# Altium PCB AIR_MOUNT23.PcbDoc (part 1 of 4)
Units mm, origin at the board's own origin, x right, y up, seen from the top; angles counter-clockwise.
Board outline 149.5 x 178 mm, 4 copper layers (Top Layer, Layer 1, Layer 2, Bottom Layer), stack 1.741 mm thick; 443 components, 337 nets, 1578 pads, 464 vias.
Unrouted connection lines stored in the file: 63.
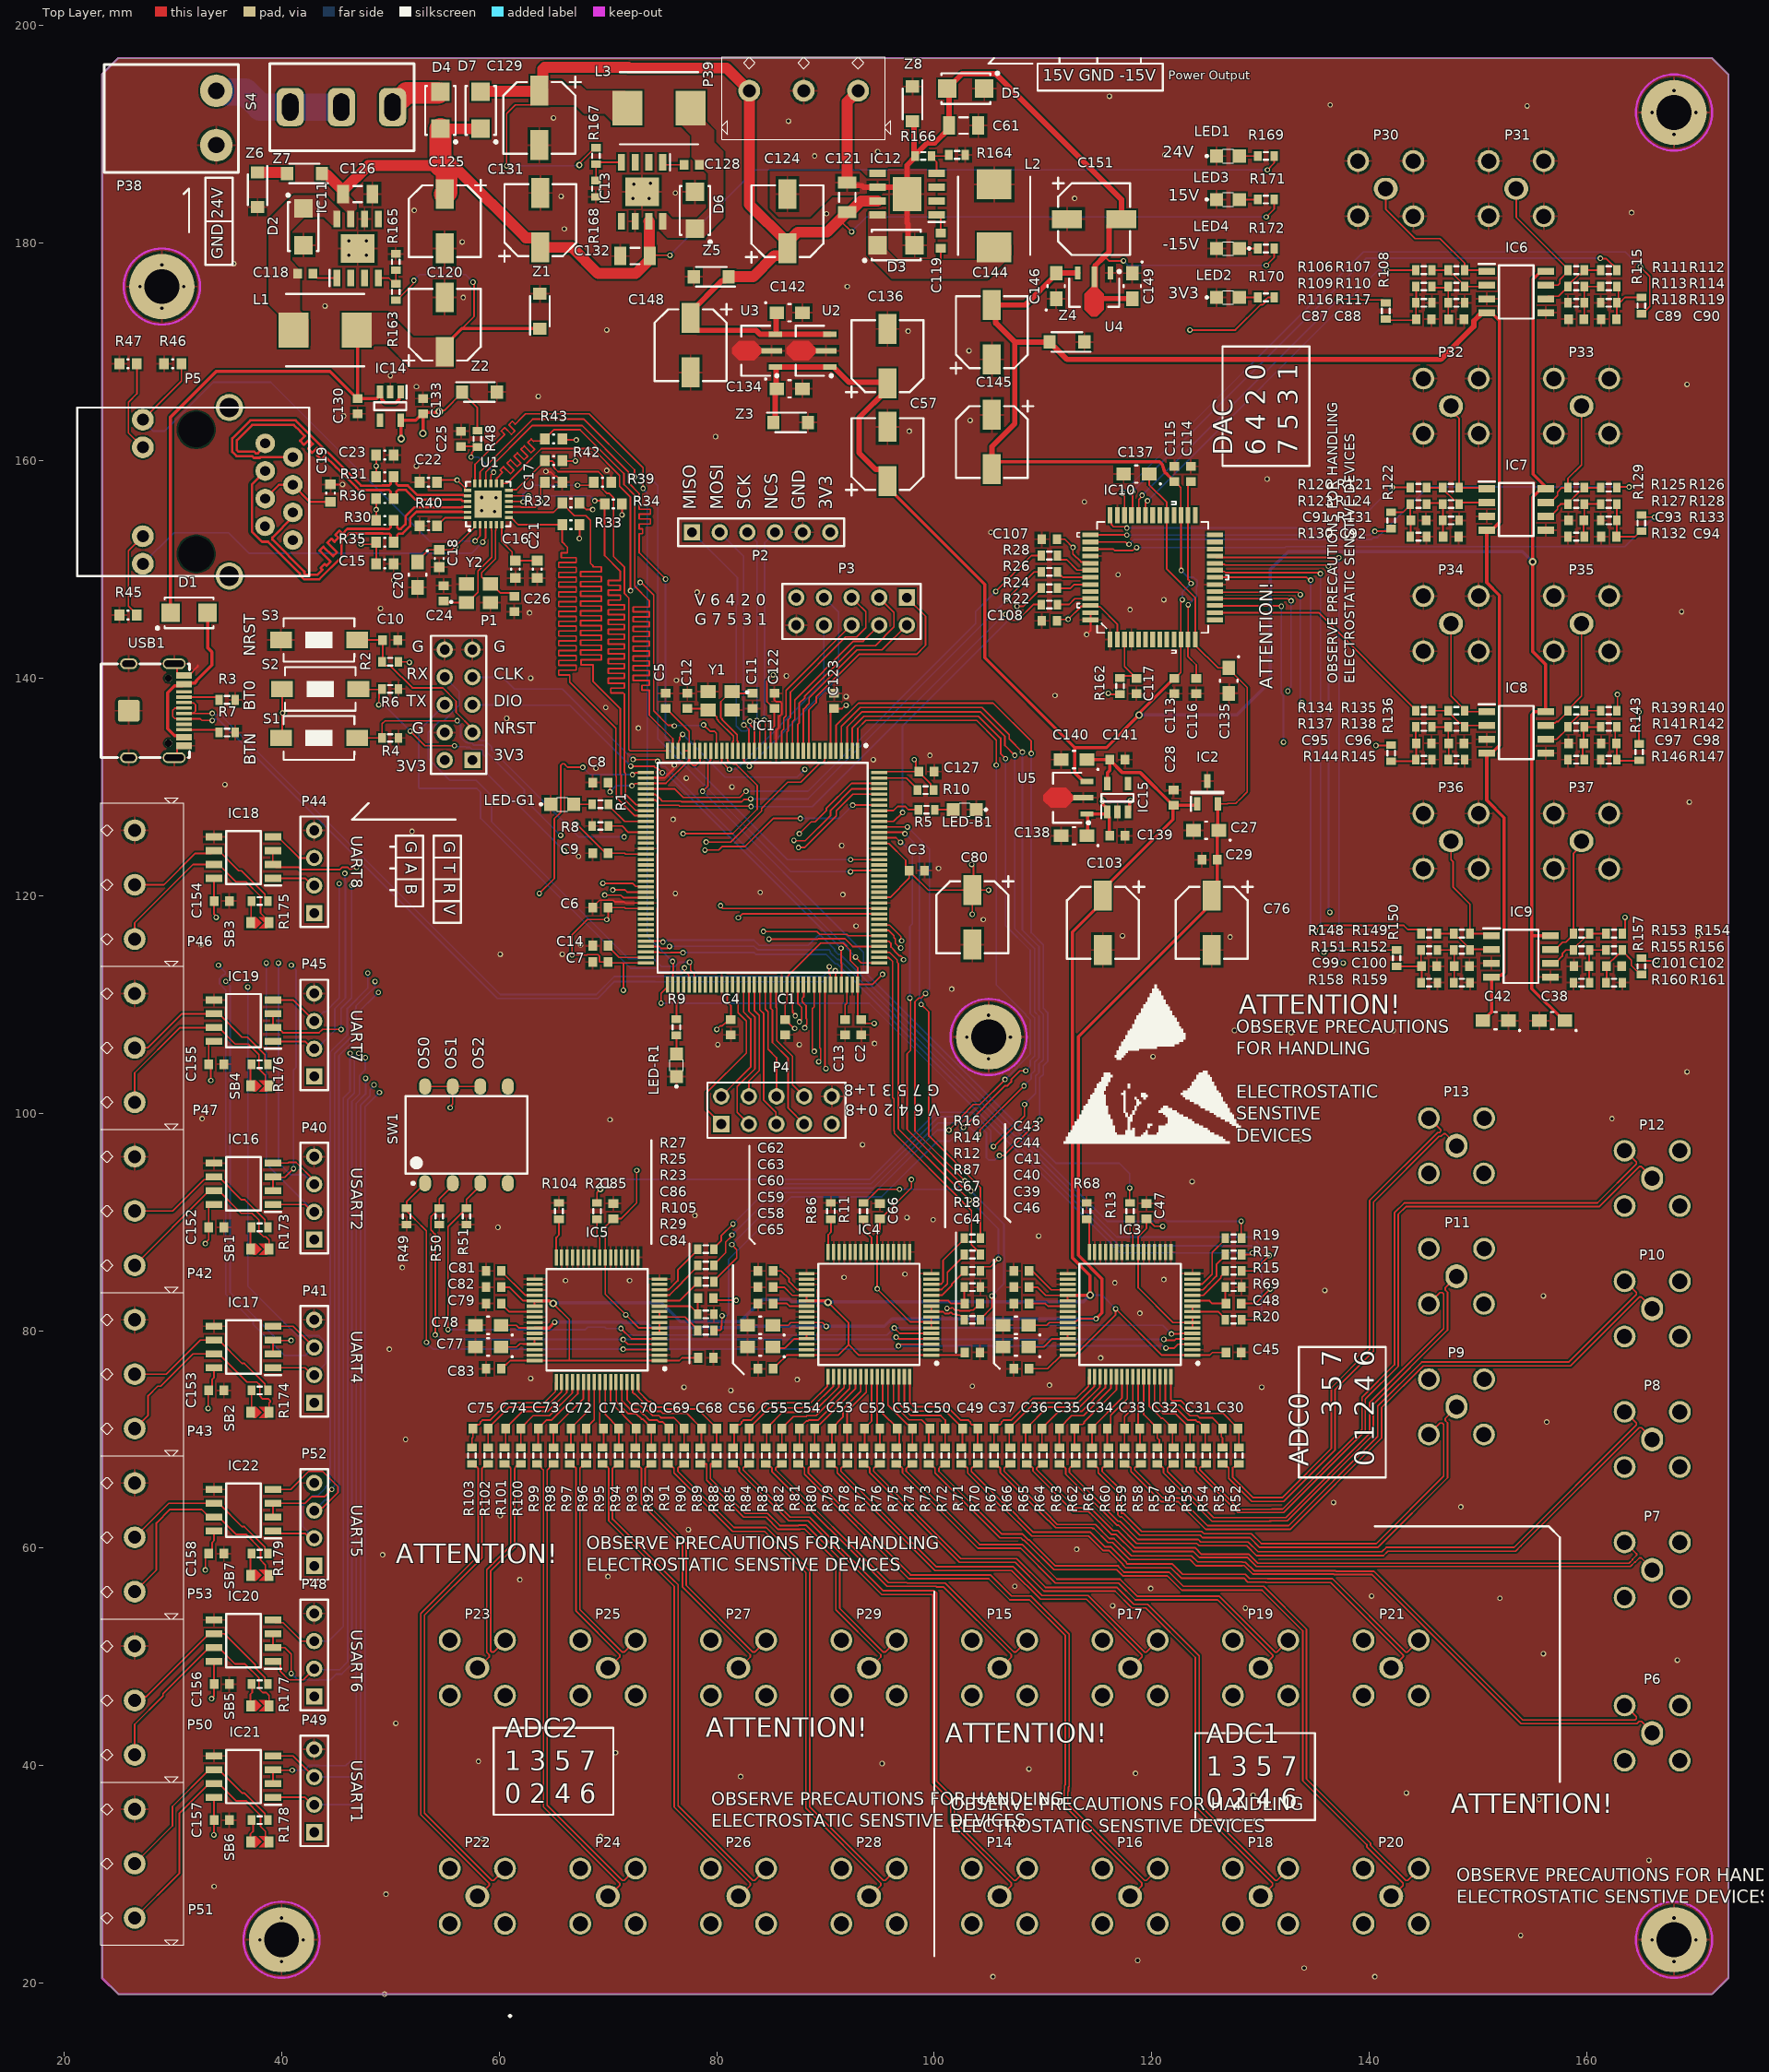
[diagram p0: Top Layer view]
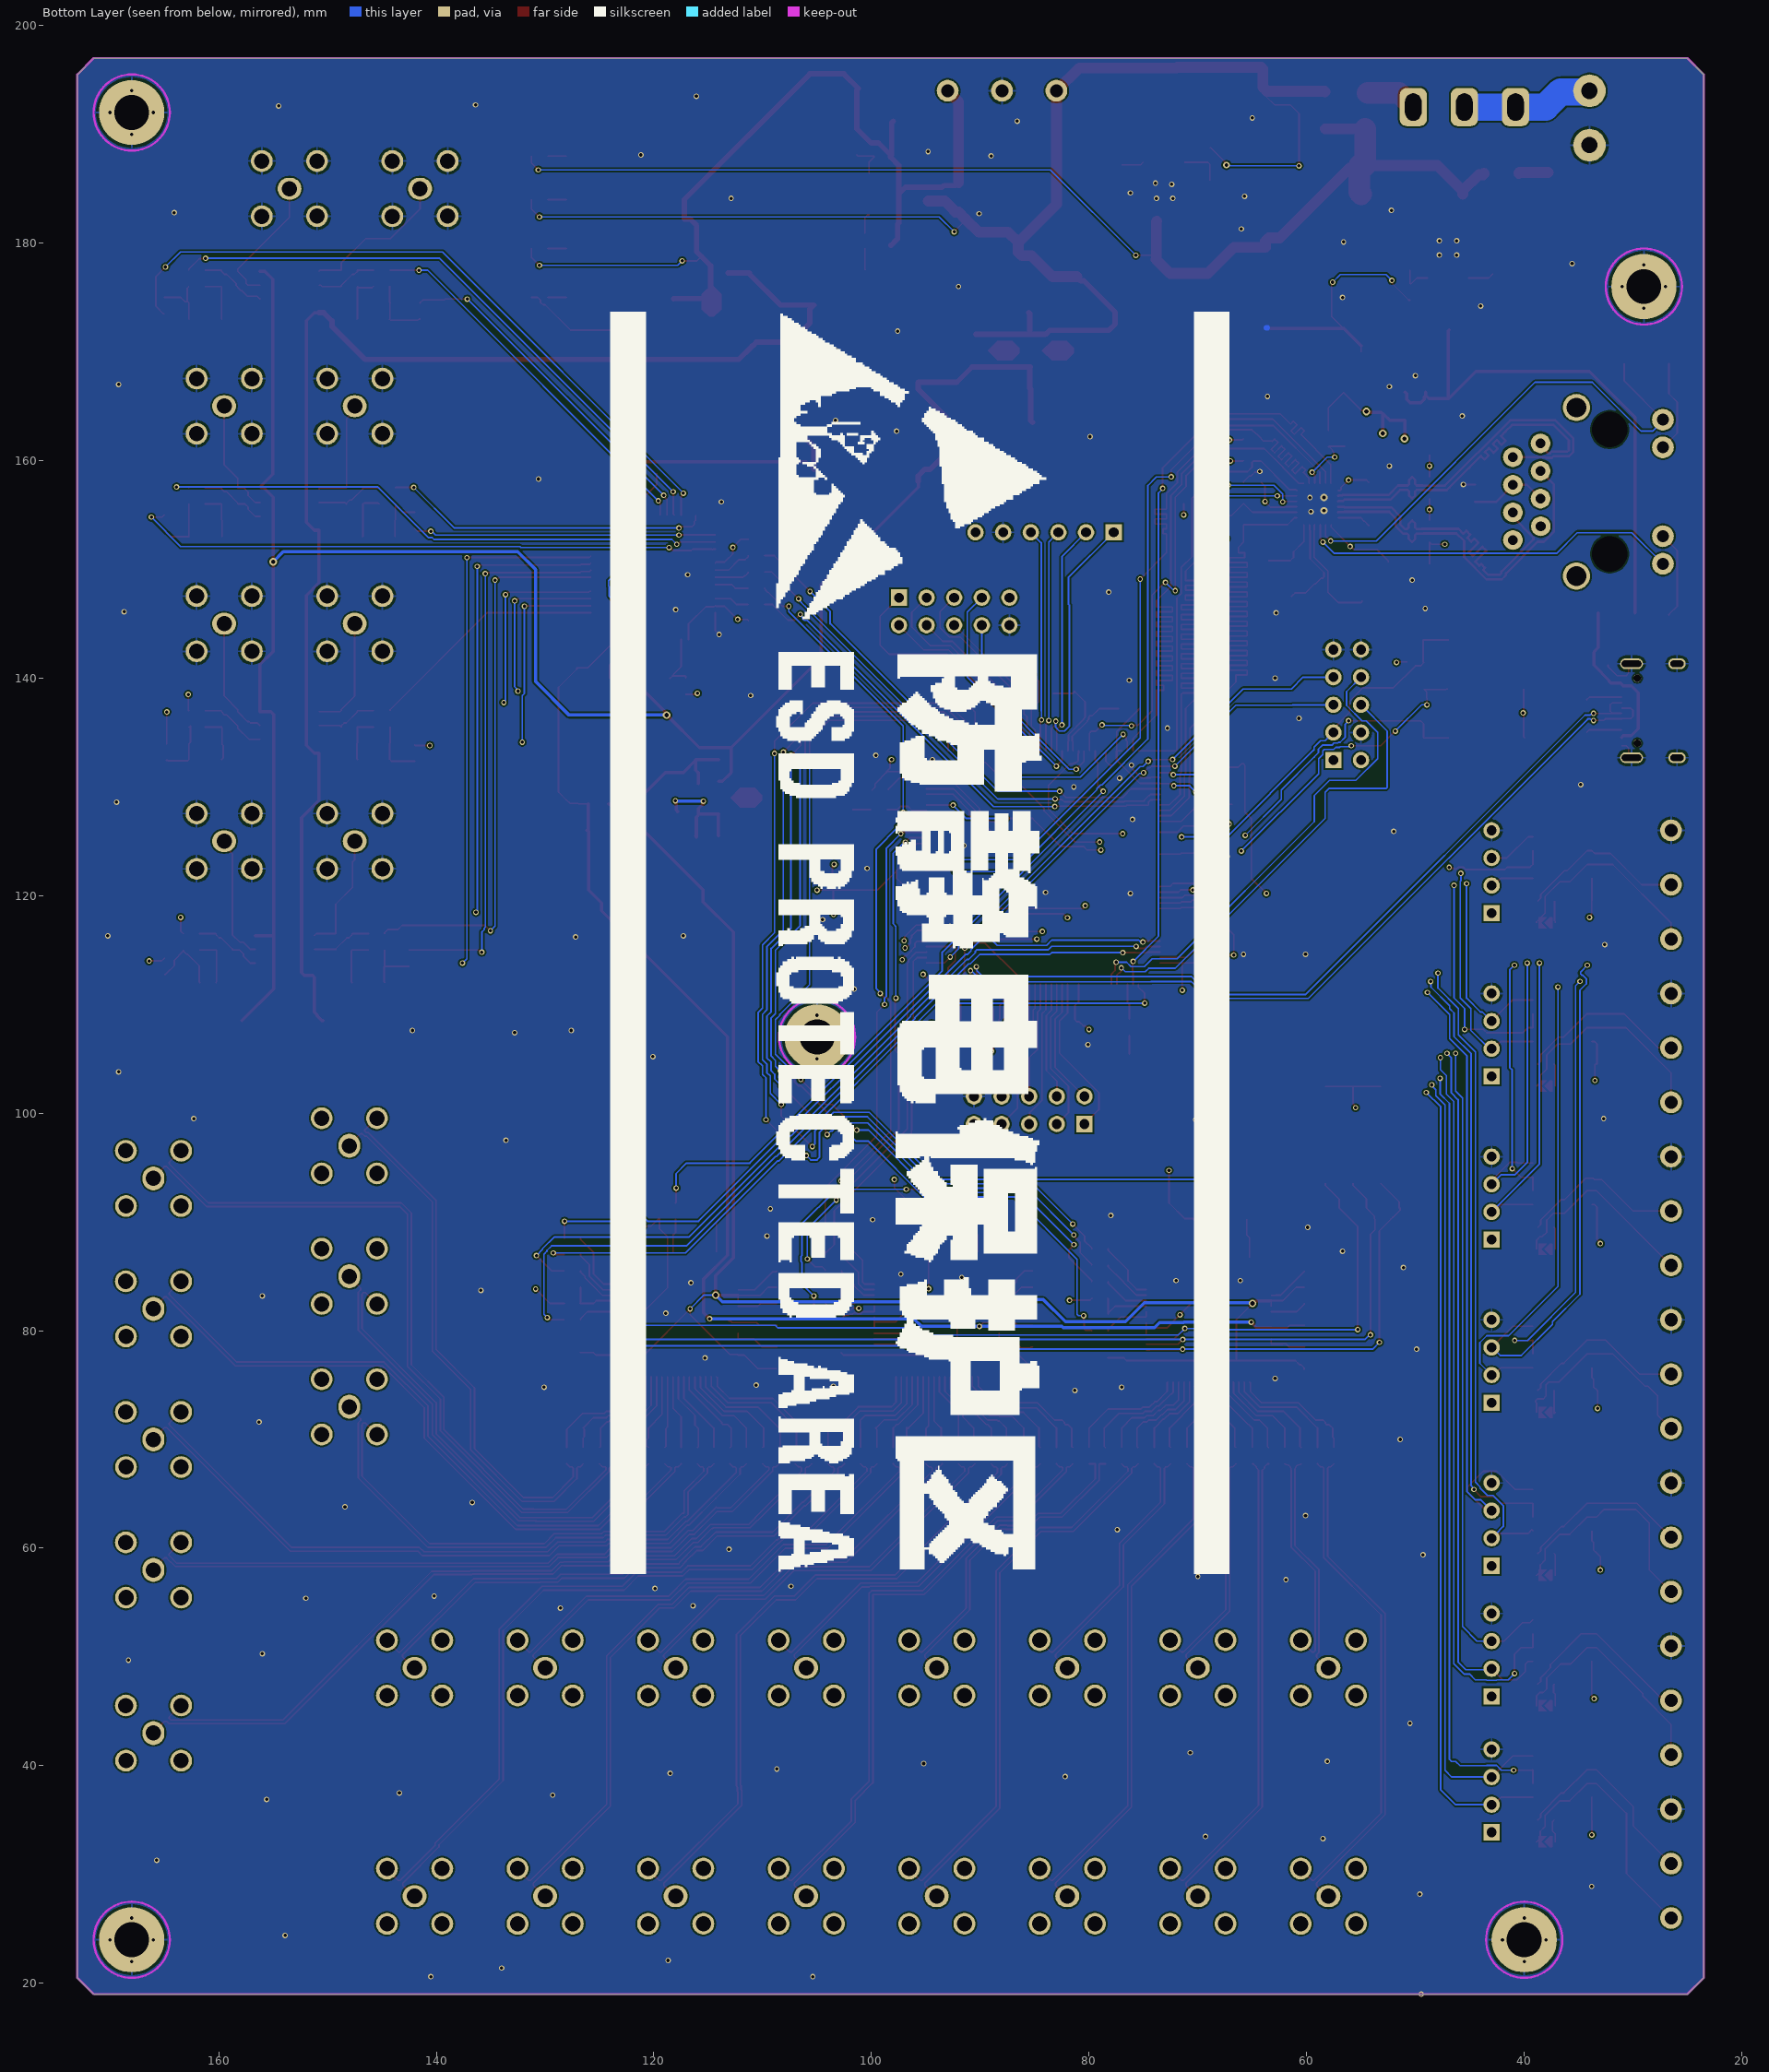
[diagram p1: Bottom Layer view, seen from below]
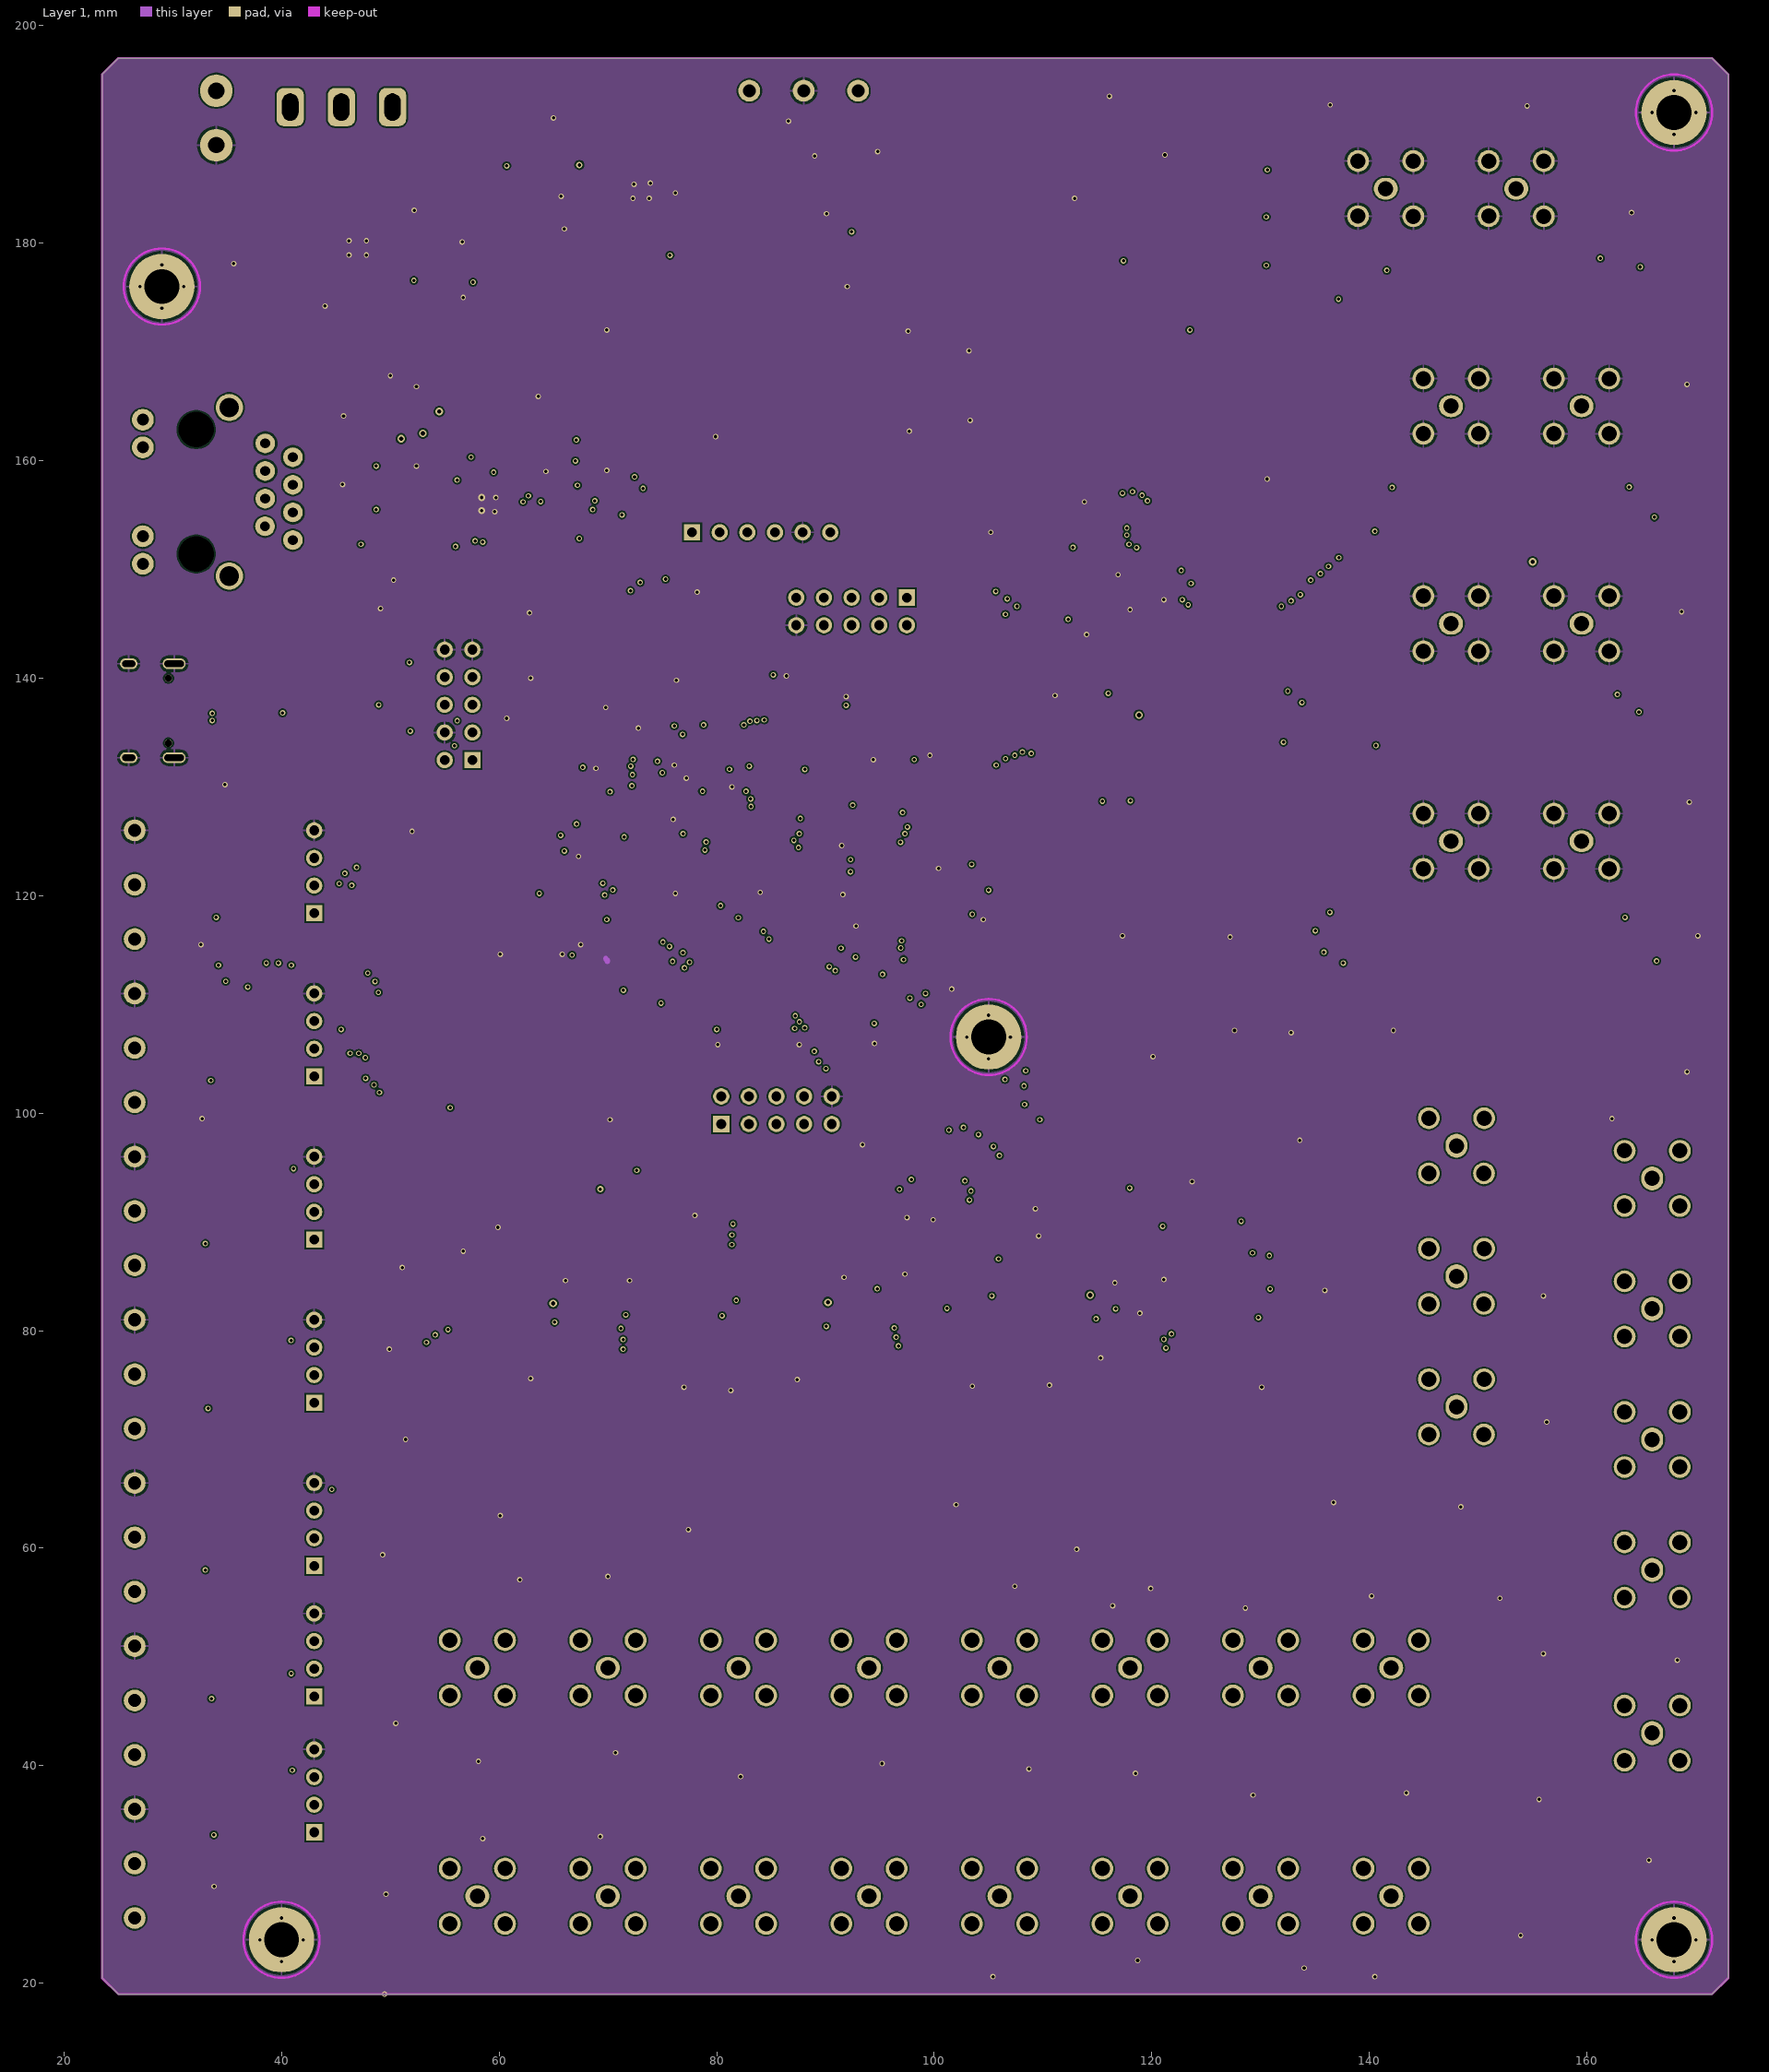
[diagram p2: Layer 1]
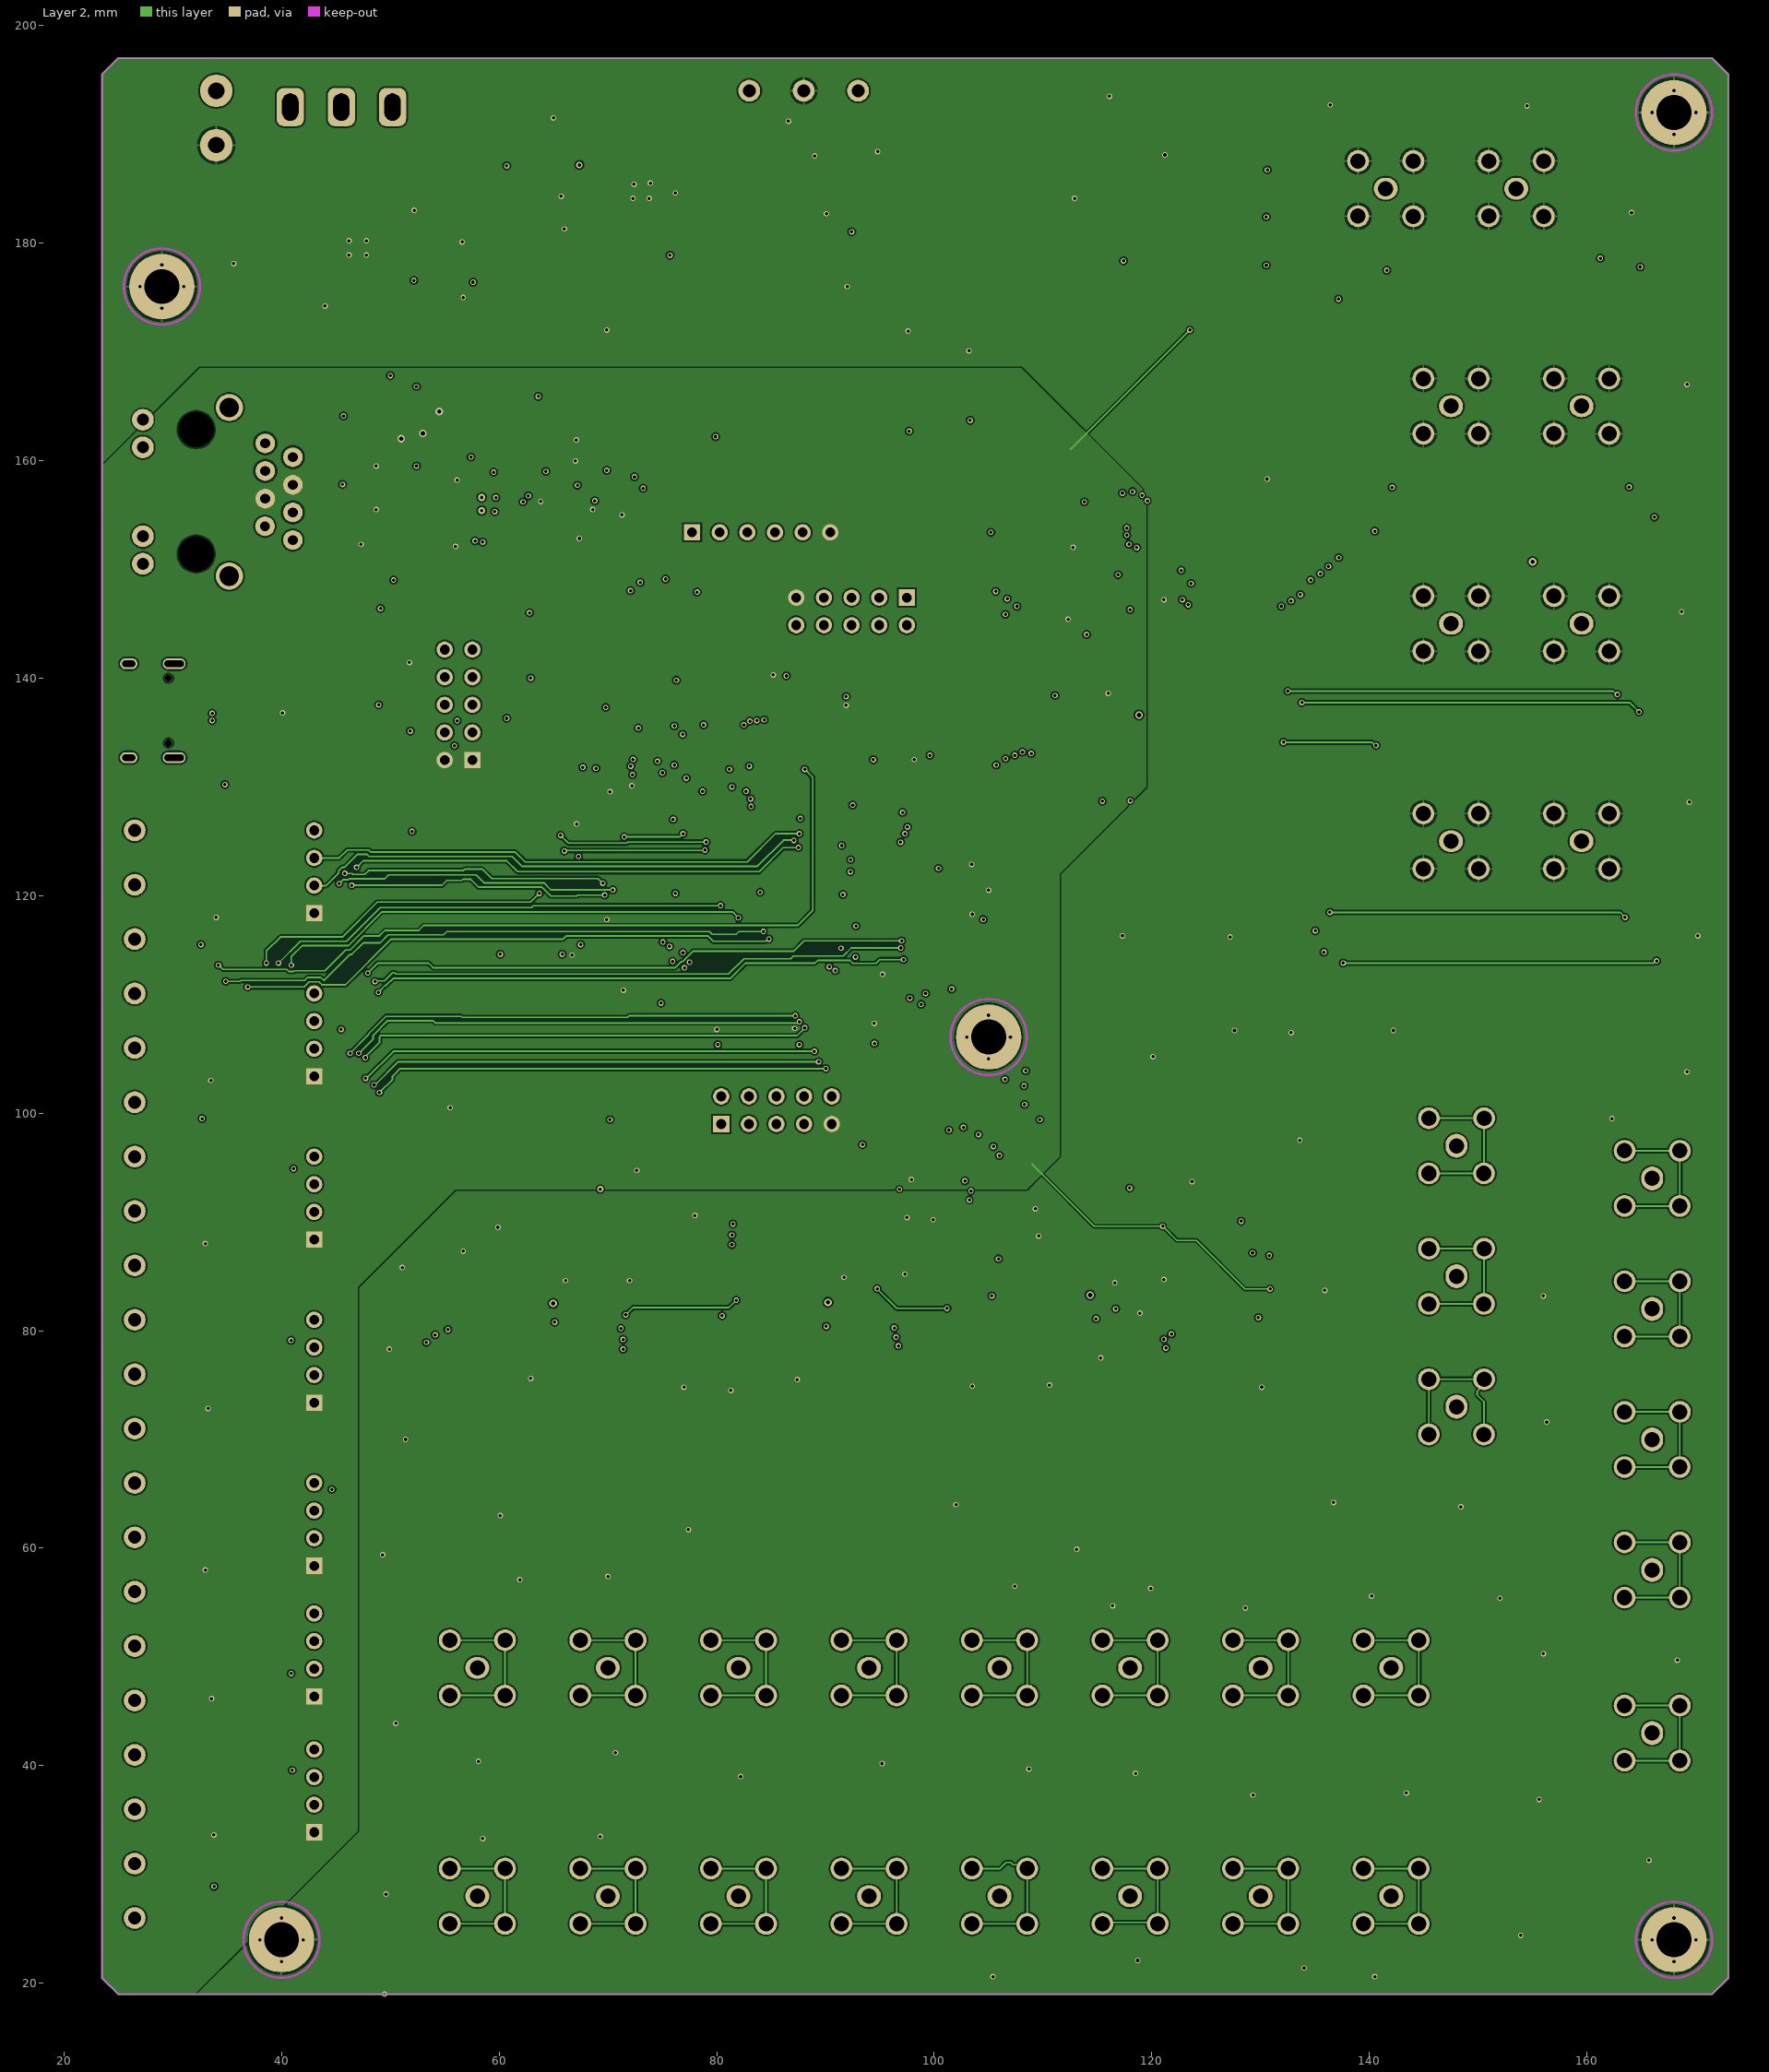
[diagram p3: Layer 2]

## Layer stack, top to bottom
Top Solder: solder mask 0.0102, Solder Resist, Dk 3.5
Top Layer: signal copper 0.0356
Dielectric 2: prepreg 0.2, PP-006, Dk 4.1
Layer 1: signal copper 0.035
Dielectric 1: dielectric 1.2, FR-4, Dk 4.8
Layer 2: signal copper 0.035
Dielectric 3: prepreg 0.2, PP-006, Dk 4.1
Bottom Layer: signal copper 0.0356
Bottom Solder: solder mask 0.0102, Solder Resist, Dk 3.5

## Board outline
23.5,20.5 25,19 171.5,19 173,20.5 173,195.5 171.5,197 25,197 23.5,195.5

## Design rules (kind name [scope] priority, off if disabled: settings)
Clearance "Schematic Clearance Constraint" [InNetClass('DiffPair100')] p1: gap=0.2 ignorepadtopadclearanceinfootprint=TRUE except(0.15: Arc-SMDPad Track-SMDPad)
Clearance Clearance_1 [All] p2: gap=0.15 ignorepadtopadclearanceinfootprint=TRUE
Clearance [All] p3: gap=0.15 ignorepadtopadclearanceinfootprint=TRUE except(0.25: Track-Track)
DiffPairsRouting [All] p1: maxlimit=0.5 minlimit=0.14 mostfreqgap=0.2 toplayer_minwidth=0.14 toplayer_maxwidth=0.381 toplayer_prefwidth=0.22 midlayer1_minwidth=0.14 midlayer1_maxwidth=0.381 midlayer1_prefwidth=0.22 midlayer2_minwidth=0.14 midlayer2_maxwidth=0.381 midlayer2_prefwidth=0.22 bottomlayer_minwidth=0.14 bottomlayer_maxwidth=0.381 bottomlayer_prefwidth=0.22 maxuncoupledlength=12.7
MatchedLengths "Schematic Matched Net Lengths_1" [InNetClass('DiffPair100')] p1: tolerance=2.54 checknetsindiffpair=TRUE checkdiffpairvsdiffpair=FALSE checkxsignals=FALSE checkothers=FALSE
MatchedLengths "Schematic Matched Net Lengths" [InNetClass('RMIIBus')] p2: tolerance=2.5 checknetsindiffpair=FALSE checkdiffpairvsdiffpair=TRUE checkxsignals=TRUE checkothers=TRUE
PolygonConnect PolygonConnect_1 [InNet('GND') or InNet('-15V')] p1: thpad.connectstyle=Relief thpad.reliefconductorwidth=0.2 thpad.reliefentries=4 thpad.polygonreliefangle="90 Angle" thpad.airgapwidth=0.25 smdpad.connectstyle=Relief smdpad.reliefconductorwidth=0.2 smdpad.reliefentries=4 smdpad.polygonreliefangle="90 Angle" smdpad.airgapwidth=0.25 via.connectstyle=Direct via.reliefconductorwidth=0.254 via.reliefentries=4 via.polygonreliefangle="90 Angle" via.airgapwidth=0.254
PolygonConnect [All] p2: connectstyle=Direct reliefconductorwidth=0.2 reliefentries=4 polygonreliefangle="90 Angle" airgapwidth=0.254
RoutingVias [All] p1: holewidth=0.25 width=0.5 viastyle="Through Hole" minholewidth=0.25 minwidth=0.5 maxholewidth=80 maxwidth=80
SolderMaskExpansion [All] p1: expansion=0.102 istentingtop=FALSE
Width "Schematic Width Constraint" [InNetClass('DiffPair100')] p1: maxlimit=0.22 minlimit=0.22 preferedwidth=0.22
Width [All] p2: maxlimit=5 minlimit=0.14 preferedwidth=0.14
29 further rules are at their usual default settings.

## Classes and differential pairs
net class RMIIBus: RMII_CRS_DV_3 RMII_REF_CLK_3 RMII_RXD0_3 RMII_RXD1_3 RMII_TX_EN_3 RMII_TXD0_3 RMII_TXD1_3
net class DiffPair100: RD_3_N RD_3_P TD_3_N TD_3_P
component class 09-RS485: C152 C153 C154 C155 C156 C157 C158 IC16 IC17 IC18 IC19 IC20 IC21 IC22 P40 P41 P42 P43 P44 P45 P46 P47 P48 P49 P50 P51 P52 P53 R173 R174 R175 R176 R177 R178 R179 SB1 SB2 SB3 SB4 SB5 SB6 SB7
component class 08-Power: C57 C61 C80 C103 C118 C119 C120 C121 C124 C125 C126 C128 C129 C130 C131 C132 C133 C134 C136 C138 C139 C140 C141 C142 C144 C145 C146 C148 C149 C151 D2 D3 D4 D5 D6 D7 IC11 IC12 IC13 IC14 IC15 L1 L2 L3 LED1 LED2 LED3 LED4 P38 P39 R163 R164 R165 R166 R167 R168 R169 R170 R171 R172 S4 U2 U3 U4 U5 Z1 Z2 Z3 Z4 Z5 Z6 Z7 Z8
component class 07-DAC: C38 C42 C87 C88 C89 C90 C91 C92 C93 C94 C95 C96 C97 C98 C99 C100 C101 C102 C107 C108 C113 C114 C115 C116 C117 C135 C137 IC6 IC7 IC8 IC9 IC10 P30 P31 P32 P33 P34 P35 P36 P37 R106 R107 R108 R109 R110 R111 R112 R113 R114 R115 R116 R117 R118 R119 R120 R121 R122 R123 R124 R125 R126 R127 R128 R129 R130 R131 R132 R133 R134 R135 R136 R137 R138 R139 R140 R141 R142 R143 R144 R145 R146 R147 R148 R149 R150 R151 R152 R153 R154 R155 R156 R157 R158 R159 R160 R161 R162
component class 06-ADC02: C68 C69 C70 C71 C72 C73 C74 C75 C77 C78 C79 C81 C82 C83 C84 C85 C86 IC5 P22 P23 P24 P25 P26 P27 P28 P29 R88 R89 R90 R91 R92 R93 R94 R95 R96 R97 R98 R99 R100 R101 R102 R103 R104 R105
component class 05-ADC01: C49 C50 C51 C52 C53 C54 C55 C56 C58 C59 C60 C62 C63 C64 C65 C66 C67 IC4 P14 P15 P16 P17 P18 P19 P20 P21 R70 R71 R72 R73 R74 R75 R76 R77 R78 R79 R80 R81 R82 R83 R84 R85 R86 R87
component class 04-ADC00: C30 C31 C32 C33 C34 C35 C36 C37 C39 C40 C41 C43 C44 C45 C46 C47 C48 IC3 P6 P7 P8 P9 P10 P11 P12 P13 R52 R53 R54 R55 R56 R57 R58 R59 R60 R61 R62 R63 R64 R65 R66 R67 R68 R69
component class 03-Analog: C27 C28 C29 C76 IC2 R49 R50 R51 SW1
component class 02-Ethernet: C15 C16 C17 C18 C19 C20 C21 C22 C23 C24 C25 C26 P5 R30 R31 R32 R33 R34 R35 R36 R39 R40 R42 R43 R45 R46 R47 R48 U1 Y2
component class 01-MCU: C1 C2 C3 C4 C5 C6 C7 C8 C9 C10 C11 C12 C13 C14 C122 C123 C127 D1 IC1 LED-B1 LED-G1 LED-R1 P1 P2 P3 P4 R1 R2 R3 R4 R5 R6 R7 R8 R9 R10 R11 R12 R13 R14 R15 R16 R17 R18 R19 R20 R21 R22 R23 R24 R25 R26 R27 R28 R29 S1 S2 S3 USB1 Y1
differential pair XALT_3: +XALT_3_P -XALT_3_N
differential pair XALT_2: +XALT_2_P -XALT_2_N
differential pair V8_7: +V8_7_P -V8_7_N
differential pair V8_6: +V8_6_P -V8_6_N
differential pair V8_5: +V8_5_P -V8_5_N
differential pair V7_7: +V7_7_P -V7_7_N
differential pair V7_6: +V7_6_P -V7_6_N
differential pair V7_5: +V7_5_P -V7_5_N
differential pair V6_7: +V6_7_P -V6_7_N
differential pair V6_6: +V6_6_P -V6_6_N
differential pair V6_5: +V6_5_P -V6_5_N
differential pair V5_7: +V5_7_P -V5_7_N
differential pair V5_6: +V5_6_P -V5_6_N
differential pair V5_5: +V5_5_P -V5_5_N
differential pair V4_7: +V4_7_P -V4_7_N
differential pair V4_6: +V4_6_P -V4_6_N
differential pair V4_5: +V4_5_P -V4_5_N
differential pair V3_7: +V3_7_P -V3_7_N
differential pair V3_6: +V3_6_P -V3_6_N
differential pair V3_5: +V3_5_P -V3_5_N
differential pair V2_7: +V2_7_P -V2_7_N
differential pair V2_6: +V2_6_P -V2_6_N
differential pair V2_5: +V2_5_P -V2_5_N
differential pair V1_7: +V1_7_P -V1_7_N
differential pair V1_6: +V1_6_P -V1_6_N
differential pair V1_5: +V1_5_P -V1_5_N
differential pair USB_D_2: +USB_D_2_P -USB_D_2_N
differential pair TD_3: +TD_3_P -TD_3_N
differential pair RD_3: +RD_3_P -RD_3_N
